# Altium PCB ssmaster.PcbDoc (part 2 of 2) (continued)
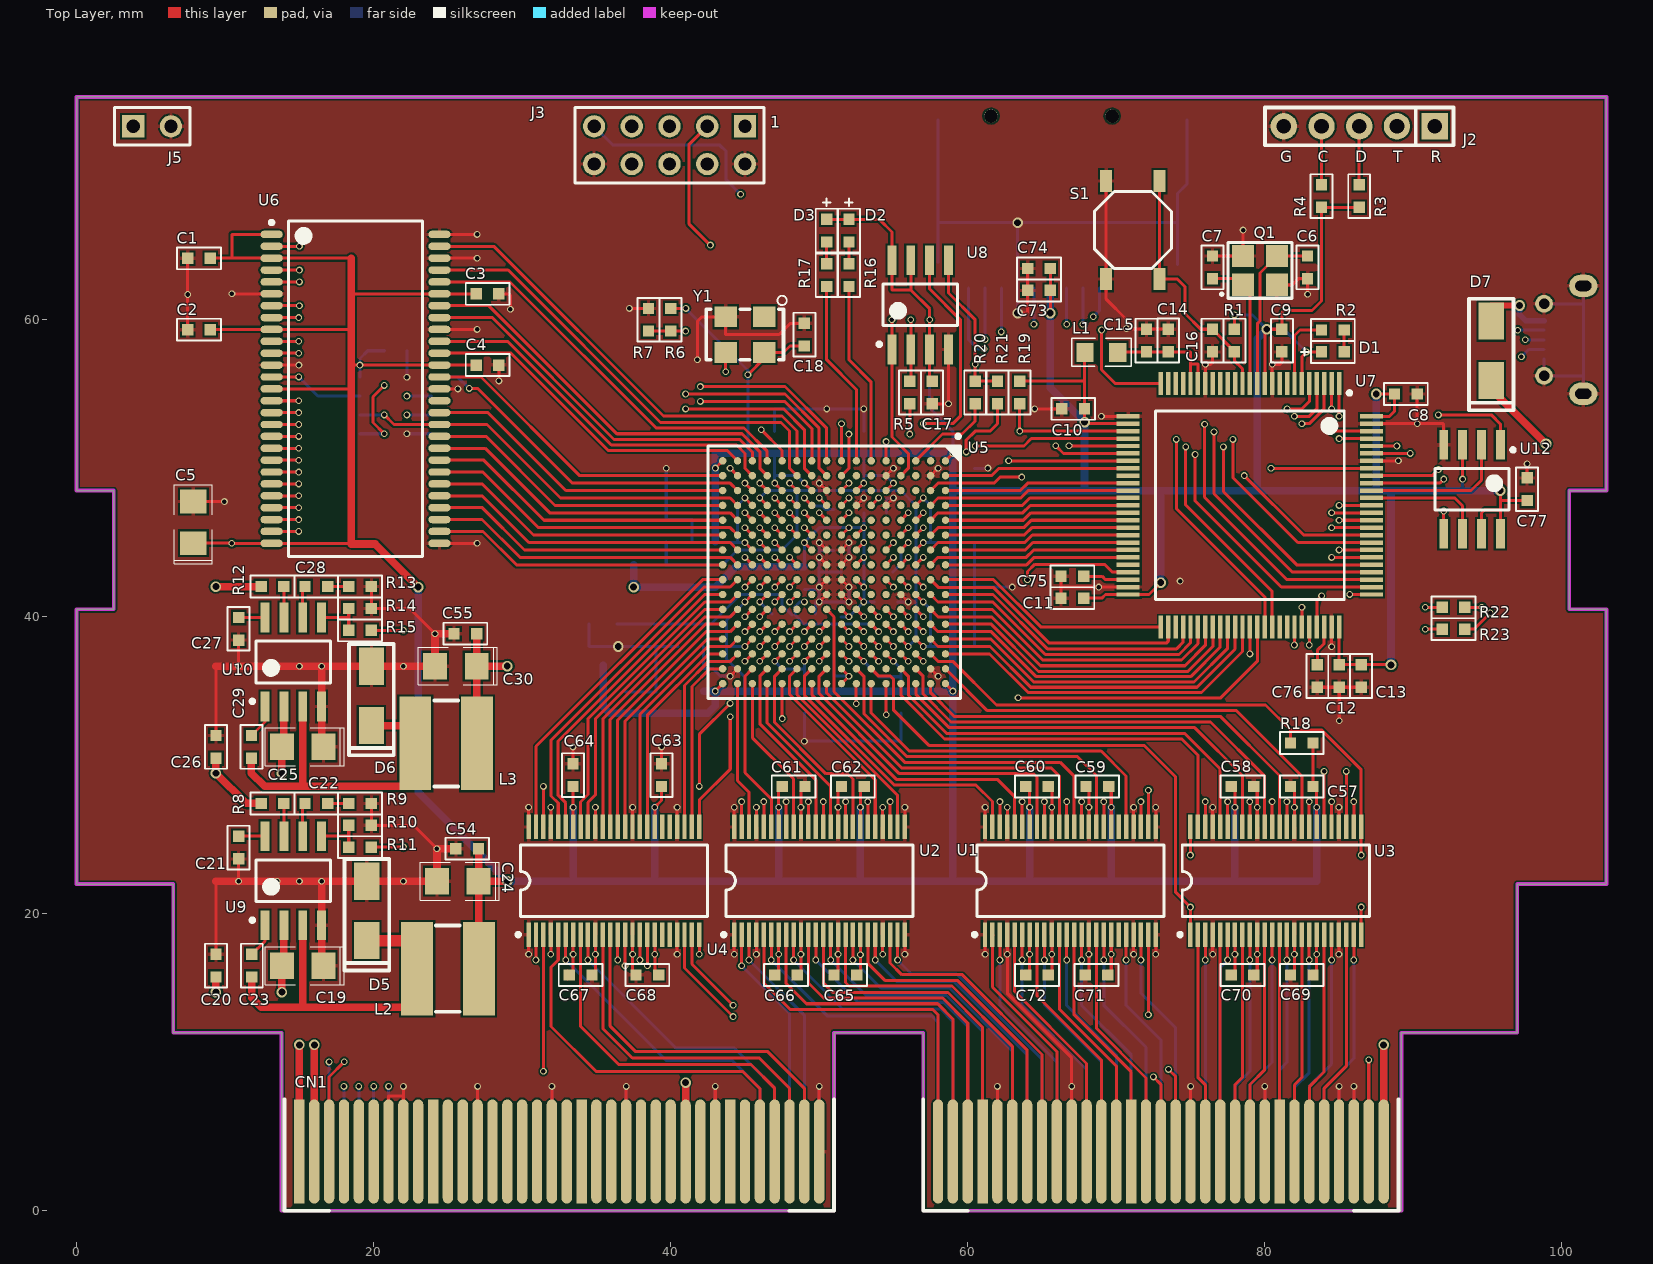
[diagram p0: Top Layer view]
## Nets (pads, with @x,y where several pads share a name; then routed paths per layer and width w, separated by ;. In a path a pad name is that pad's centre, name@x,y a point inside that pad or via, vN(x,y) a via of type N, cw(c..) or ccw(c..) an arc to the next point about the centre after c; other vN are vias at no path point) (continued)
  Mid-Layer 1 w0.203: v1(14.96,48.147) 18.617,44.489 28.956,44.489 28.966,44.5 45.5,44.5 v1(46,44)
MA1: U5.P8 U6.24 | length 34
  Top Layer w0.203: U6.24@13.13,47.347 v1(14.96,47.347) ; v1(45,44) U5.P8@45.5,43.5
  Mid-Layer 1 w0.203: v1(14.96,47.347) 18.307,44 v1(45,44)
MA2: U5.M8 U6.25 | length 36
  Top Layer w0.203: U6.25@13.13,46.547 v1(14.96,46.547) ; v1(47,44) U5.M8@47.5,43.5
  Mid-Layer 1 w0.203: v1(14.96,46.547) 17.964,43.543 46.543,43.543 v1(47,44)
MA3: U5.L8 U6.26 | length 37
  Top Layer w0.203: U6.26@13.13,45.747 v1(14.96,45.747) ; v1(48,44) U5.L8@48.5,43.5
  Mid-Layer 1 w0.203: v1(14.96,45.747) 17.494,43.213 47.213,43.213 v1(48,44)
MA4: U5.T8 U6.29 | length 20
  Top Layer w0.203: U6.29@24.43,45.747 27.364,45.747 29.611,43.5 U5.T8@43.5,43.5
MA5: U5.R8 U6.30 | length 21.3
  Top Layer w0.203: U6.30@24.43,46.547 27.301,46.547 29.847,44 44,44 U5.R8@44.5,43.5
MA6: U5.T7 U6.31 | length 20.2
  Top Layer w0.203: U6.31@24.43,47.347 27.313,47.347 30.16,44.5 U5.T7@43.5,44.5
MA7: U5.R7 U6.32 | length 21.6
  Top Layer w0.203: U6.32@24.43,48.147 27.301,48.147 30.447,45 44,45 U5.R7@44.5,44.5
MA8: U5.T6 U6.33 | length 20.5
  Top Layer w0.203: U6.33@24.43,48.947 27.314,48.947 30.76,45.5 U5.T6@43.5,45.5
MA9: U5.R6 U6.34 | length 21.8
  Top Layer w0.203: U6.34@24.43,49.747 27.352,49.747 31.098,46 44,46 U5.R6@44.5,45.5
MA10: U5.M7 U6.22 | length 36.2
  Top Layer w0.203: U6.22@13.13,48.947 v1(14.96,48.947) ; v1(47,45) U5.M7@47.5,44.5
  Mid-Layer 1 w0.203: v1(14.96,48.947) 18.407,45.5 46.5,45.5 v1(47,45)
MA11: U5.T5 U6.35 | length 20.7
  Top Layer w0.203: U6.35@24.43,50.547 27.415,50.547 31.462,46.5 U5.T5@43.5,46.5
MA12: U5.R5 U6.36 | length 22.1
  Top Layer w0.203: U6.36@24.43,51.347 27.504,51.347 31.851,47 44,47 U5.R5@44.5,46.5
MBA0: U5.N6 U6.20 | length 35.5
  Top Layer w0.203: U6.20@13.13,50.547 v1(14.96,50.547) ; v1(46,46) U5.N6@46.5,45.5
  Mid-Layer 1 w0.203: v1(14.96,50.547) 19.007,46.5 45.5,46.5 v1(46,46)
MBA1: U5.P6 U6.21 | length 34.1
  Top Layer w0.203: U6.21@13.13,49.747 v1(14.96,49.747) ; v1(45,46) U5.P6@45.5,45.5
  Mid-Layer 1 w0.203: v1(14.96,49.747) 18.707,46 v1(45,46)
MCAS: U5.P3 U6.17 | length 34.2
  Top Layer w0.203: U6.17@13.13,52.947 v1(14.96,52.947) ; v1(45,49) U5.P3@45.5,48.5
  Mid-Layer 1 w0.203: v1(14.96,52.947) 18.907,49 v1(45,49)
MCKE: U5.T4 U6.37 | length 21
  Top Layer w0.203: U6.37@24.43,52.147 27.568,52.147 32.215,47.5 U5.T4@43.5,47.5
MCLK: U5.R4 U6.38 U13.6 | length 27.9
  Top Layer w0.203: v1(20.717,53.594) 21.364,52.947 U6.38@24.43,52.947 27.632,52.947 32.578,48 44,48 U5.R4@44.5,47.5
  Bottom Layer w0.203: U13.6@19.079,53.594 v1(20.717,53.594)
MCS: U5.N5 U6.19 | length 35.4
  Top Layer w0.203: U6.19@13.13,51.347 v1(14.96,51.347) ; v1(46,47) U5.N5@46.5,46.5
  Mid-Layer 1 w0.203: v1(14.96,51.347) 18.807,47.5 45.2,47.5 45.7,47 v1(46,47)
MD0: U5.J1 U6.2 | length 44.6
  Top Layer w0.203: U6.2@13.13,64.947 v1(15,64.947) ; v1(42,55.5) 47.7,55.5 50.5,52.7 U5.J1@50.5,50.5
  Mid-Layer 1 w0.203: v1(15,64.947) 23.344,64.947 32.79,55.5 v1(42,55.5)
MD1: U5.J2 U6.4 | length 44.7
  Top Layer w0.203: U6.4@13.13,63.347 v1(15,63.347) ; v1(41,55) 47.692,55 50,52.692 50,50 U5.J2@50.5,49.5
  Mid-Layer 1 w0.203: v1(15,63.347) 23.902,63.347 32.249,55 v1(41,55)
MD2: U5.K1 U6.5 | length 42.6
  Top Layer w0.203: U6.5@13.13,62.547 v1(15,62.547) ; v1(42,54.5) 47.684,54.5 49.5,52.684 U5.K1@49.5,50.5
  Mid-Layer 1 w0.203: v1(15,62.547) 22.61,62.547 30.657,54.5 v1(42,54.5)
MD3: U5.K2 U6.7 | length 42.6
  Top Layer w0.203: U6.7@13.13,60.947 v1(15,60.947) ; v1(41,54) 47.6,54 49,52.6 49,50 U5.K2@49.5,49.5
  Mid-Layer 1 w0.203: v1(15,60.947) 22.508,60.947 29.455,54 v1(41,54)
MD4: U5.K5 U6.8 U13.5 | length 48.7
  Top Layer w0.203: U6.8@13.13,60.147 v1(14.96,60.147) ; v1(20.717,52.324) 19.955,53.086 19.955,54.813 v1(20.717,55.575) ; v1(49,47) U5.K5@49.5,46.5
  Mid-Layer 1 w0.203: v1(14.96,60.147) 19.531,55.575 v1(20.717,55.575) 24.552,55.575 26.661,53.467 44.533,53.467 48.5,49.5 48.5,47.8 49,47.3 v1(49,47)
  Bottom Layer w0.203: U13.5@19.079,52.324 v1(20.717,52.324)
MD5: U5.L3 U6.10 U13.2 | length 41.5
  Top Layer w0.203: U6.10@13.13,58.547 v1(14.96,58.547) ; v1(48,49) U5.L3@48.5,48.5
  Mid-Layer 1 w0.203: v1(14.96,58.547) 18.643,54.864 v1(22.241,54.864) 24.222,52.883 44.617,52.883 48,49.5 v1(48,49)
  Bottom Layer w0.203: v1(22.241,54.864) U13.2@23.879,54.864
MD6: U5.L4 U6.11 U13.3 | length 41.8
  Top Layer w0.203: U6.11@13.13,57.747 v1(14.96,57.747) ; v1(48,48) U5.L4@48.5,47.5
  Mid-Layer 1 w0.203: v1(14.96,57.747) 18.351,54.356 21.479,54.356 v1(22.241,53.594) 23.486,52.349 44.651,52.349 47.5,49.5 47.5,48.8 48,48.3 v1(48,48)
  Bottom Layer w0.203: v1(22.241,53.594) U13.3@23.879,53.594
MD7: U5.K6 U6.13 U13.7 | length 46.5
  Top Layer w0.203: U6.13@13.13,56.147 v1(14.96,56.147) ; v1(49,46) U5.K6@49.5,45.5
  Mid-Layer 1 w0.203: v1(14.96,56.147) 19.607,51.5 44.5,51.5 46.5,49.5 46.5,48.8 46.8,48.5 47.2,48.5 47.5,48.2 47.5,47.8 47.8,47.5 48.2,47.5 48.5,47.2 48.5,46.8 49,46.3 v1(49,46)
  Bottom Layer w0.203: v1(14.96,56.147) 16.243,54.864 U13.7@19.079,54.864
MD8: U5.T2 U6.42 | length 21.8
  Top Layer w0.203: U6.42@24.43,56.147 27.226,56.147 33.872,49.5 U5.T2@43.5,49.5
MD9: U5.R1 U6.44 | length 23.1
  Top Layer w0.203: U6.44@24.43,57.747 29.248,57.747 35.814,51.181 43.819,51.181 U5.R1@44.5,50.5
MD10: U5.P2 U6.45 | length 25.4
  Top Layer w0.203: U6.45@24.43,58.547 29.017,58.547 36.002,51.562 44.438,51.562 45,51 45,50 U5.P2@45.5,49.5
MD11: U5.P1 U6.47 | length 25.4
  Top Layer w0.203: U6.47@24.43,60.147 27.986,60.147 36.189,51.943 44.657,51.943 45.5,51.1 U5.P1@45.5,50.5
MD12: U5.N2 U6.48 | length 27.5
  Top Layer w0.203: U6.48@24.43,60.947 27.75,60.947 36.373,52.324 44.794,52.324 46,51.118 46,50 U5.N2@46.5,49.5
MD13: U5.N1 U6.50 | length 27.4
  Top Layer w0.203: U6.50@24.43,62.547 29.182,62.547 39.024,52.705 44.933,52.705 46.5,51.138 U5.N1@46.5,50.5
MD14: U5.L2 U6.51 | length 31.3
  Top Layer w0.203: U6.51@24.43,63.347 29.059,63.347 39.319,53.086 47.422,53.086 48,52.508 48,50 U5.L2@48.5,49.5
MD15: U5.L1 U6.53 | length 31.2
  Top Layer w0.203: U6.53@24.43,64.947 28.094,64.947 39.522,53.518 47.498,53.518 48.5,52.516 U5.L1@48.5,50.5
MLDQM: U5.N3 U6.15 | length 36.2
  Top Layer w0.203: U6.15@13.13,54.547 v1(14.96,54.547) ; v1(46,49) U5.N3@46.5,48.5
  Mid-Layer 1 w0.203: v1(14.96,54.547) 19.007,50.5 45,50.5 46,49.5 v1(46,49)
MRAS: U5.M6 U6.18 | length 37.8
  Top Layer w0.203: U6.18@13.13,52.147 v1(14.96,52.147) ; v1(47,46) U5.M6@47.5,45.5
  Mid-Layer 1 w0.203: v1(14.96,52.147) 18.607,48.5 45.2,48.5 45.5,48.2 45.5,47.8 45.8,47.5 46.2,47.5 46.5,47.2 46.5,46.5 v1(47,46)
MSEL1: R6.1 R7.2 U5.H12 | length 29.3
  Top Layer w0.203: R7.2@38.5,59.238 R6.1@40,59.238 v1(41,59.238) ; U5.H12@51.5,39.5 v1(52,39)
  Mid-Layer 1 w0.203: v1(41,59.238) 43.262,59.238 47.5,55 47.5,51.5 49.5,49.5 49.5,46.5 51.213,44.787 51.213,39.787 v1(52,39)
MUDQM: U5.T3 U6.39 | length 21.2
  Top Layer w0.203: U6.39@24.43,53.747 27.695,53.747 32.942,48.5 U5.T3@43.5,48.5
MWE: U5.L6 U6.16 | length 39.7
  Top Layer w0.203: U6.16@13.13,53.747 v1(14.96,53.747) ; v1(48,46) U5.L6@48.5,45.5
  Mid-Layer 1 w0.203: v1(14.96,53.747) 19.207,49.5 45.2,49.5 45.5,49.2 45.5,48.8 45.8,48.5 46.3,48.5 46.5,48.3 46.5,47.8 46.8,47.5 47.2,47.5 47.5,47.2 47.5,46.5 v1(48,46)
NetC14_2: C14.2 C15.2 L1.2 U7.20 U7.21 | length 8.8
  Top Layer w0.203: L1.2@70.138,57.838 C14.2@73.5,57.838 75,57.838 U7.21@75,55.7 ; 75.018,57.018 75.5,57.018 U7.20@75.5,55.7
NetC16_1: C16.1 R1.1 S1.2 U7.14 | length 17.1
  Top Layer w0.203: S1.2@72.92,69.34 S1.2@72.92,62.74 74.115,62.74 74.625,62.23 74.625,60.427 75.692,59.36 C16.1@76.479,59.36 77.953,57.887 R1.1@77.953,57.836 77.953,57.247 78.5,56.7 U7.14@78.5,55.7
NetC21_2: C21.2 U9.8 | length 1.8
  Top Layer w0.203: C21.2@10.909,25.225 U9.8@12.684,25.225
NetC22_1: C22.1 R9.1 | length 1.4
  Top Layer w0.203: C22.1@16.9,27.432 R9.1@18.323,27.432
NetC22_2: C22.2 U9.6 | length 2.1
  Top Layer w0.203: U9.6@15.224,25.225 C22.2@15.224,27.28
NetC23_1: C23.1 D5.2 L2.1 U9.3 | length 22.3
  Top Layer w0.508: C23.1@11.795,15.748 11.795,14.351 12.43,13.716 15.224,13.716 ; U9.3@15.224,19.225 15.224,13.716 ; L2.1@22.928,13.716 15.224,13.716
  Top Layer w0.762: D5.2@19.542,18.193 L2.1@23.555,18.193
NetC23_2: C23.2 U9.1 | length 2.3
  Top Layer w0.203: C23.2@11.795,17.272 12.684,18.161 U9.1@12.684,19.225
NetC27_2: C27.2 U10.8 | length 1.8
  Top Layer w0.203: C27.2@10.909,39.957 U10.8@12.684,39.957
NetC28_1: C28.1 R13.1 | length 1.4
  Top Layer w0.203: C28.1@16.9,42.037 R13.1@18.323,42.037
NetC28_2: C28.2 U10.6 | length 1.9
  Top Layer w0.203: U10.6@15.224,39.957 C28.2@15.224,41.885
NetC29_1: C29.1 D6.2 L3.1 U10.3 | length 22.3
  Top Layer w0.508: C29.1@11.77,30.48 11.77,29.464 12.659,28.575 L3.1@23.555,28.575 ; 15.224,28.575 U10.3@15.224,33.957 ; D6.2@19.847,32.671 L3.1@23.555,32.671
NetC29_2: C29.2 U10.1 | length 2.3
  Top Layer w0.203: C29.2@11.77,32.004 12.684,32.918 U10.1@12.684,33.957
NetC49_2: C49.2 C50.2 C51.2 L4.2 U5.D13 U5.N4 | length 36.4
  Top Layer w0.203: v1(46,48) U5.N4@46.5,47.5 ; U5.D13@55.5,38.5 v1(56,38)
  Bottom Layer w0.203: C49.2@39.7,45.038 L4.2@39.7,43.5 43.5,43.5 44.5,44.5 47.5,44.5 48.5,45.5 48.5,48.5 ; v1(46,48) 46.5,48.5 48.5,48.5 ; v1(56,38) 56.5,38.5 56.5,47.5 55.5,48.5 48.5,48.5
NetC75_2: C75.2 U7.48 | length 3.1
  Top Layer w0.203: C75.2@67.809,42.723 69.053,42.723 69.276,42.5 U7.48@70.8,42.5
NetC76_2: C76.2 U7.73 | length 2.7
  Top Layer w0.203: C76.2@83.541,36.779 83.541,37.744 84,38.204 U7.73@84,39.3
NetD1_2: D1.2 R2.1 | length 1.5
  Top Layer w0.203: D1.2@85.344,57.836 R2.1@85.344,59.309
NetD2_2: D2.2 R16.2 | length 1.5
  Top Layer w0.203: R16.2@52,63.762 D2.2@52,65.238
NetD3_2: D3.2 R17.2 | length 1.5
  Top Layer w0.203: R17.2@50.5,63.762 D3.2@50.5,65.238
NetD7_1: D7.1 J1.1 | length 4.3
  Top Layer w0.381: D7.1@95.25,60.96 v2(97.155,60.96)
  Bottom Layer w0.381: v2(97.155,60.96) 97.155,60.35 97.561,59.944 J1.1@98.806,59.944
NetJ1_2: J1.2 R22.1 | length 22.6
  Top Layer w0.203: R22.1@93.472,40.64 v1(94.615,40.64)
  Mid-Layer 1 w0.203: v1(94.615,40.64) 94.615,56.883 v1(97.028,59.296)
  Bottom Layer w0.203: v1(97.028,59.296) J1.2@98.806,59.296
NetJ1_3: J1.3 R23.1 | length 22.8
  Top Layer w0.203: R23.1@93.472,39.167 94.082,39.167 v1(95.174,40.259)
  Mid-Layer 1 w0.203: v1(95.174,40.259) 95.174,56.286 v1(97.536,58.649)
  Bottom Layer w0.203: v1(97.536,58.649) J1.3@98.806,58.649
NetR8_1: R8.1 U9.7 | length 2.2
  Top Layer w0.203: U9.7@13.954,25.225 R8.1@13.954,27.432
NetR10_2: R10.2 R11.2 U9.5 | length 3.3
  Top Layer w0.203: U9.5@16.494,25.225 18.295,25.225 ; R11.2@18.323,24.486 R10.2@18.323,25.959
NetR12_1: R12.1 U10.7 | length 2.1
  Top Layer w0.203: U10.7@13.954,39.957 R12.1@13.954,42.037
NetR14_2: R14.2 R15.2 U10.5 | length 3.3
  Top Layer w0.203: U10.5@16.494,39.957 18.295,39.957 ; R15.2@18.323,39.091 R14.2@18.323,40.564
OSC_IN: C6.1 Q1.3 U7.12 | length 11.2
  Top Layer w0.203: U7.12@79.5,55.7 79.5,59.739 79.68,59.919 79.68,63.147 Q1.3@80.83,64.297 C6.1@82.87,64.297
OSC_OUT: C7.1 Q1.1 U7.13 | length 7.8
  Top Layer w0.203: C7.1@76.479,62.763 Q1.1@78.114,62.763 ; U7.13@79,55.7 Q1.1@79,61.877
SA16: U5.A12 U7.58 | length 21.3
  Top Layer w0.203: U5.A12@58.5,39.5 61.592,39.5 64.77,36.322 74.822,36.322 76.5,38 U7.58@76.5,39.3
SA17: U5.B12 U7.59 | length 23.1
  Top Layer w0.203: U5.B12@57.5,39.5 58,39 61.584,39 64.618,35.966 75.006,35.966 77,37.96 U7.59@77,39.3
SA18: U5.A13 U7.60 | length 22.6
  Top Layer w0.203: U5.A13@58.5,38.5 61.551,38.5 64.44,35.611 75.235,35.611 77.5,37.876 U7.60@77.5,39.3
SA19: U5.E7 U7.2 | length 37.2
  Top Layer w0.203: U5.E7@54.5,44.5 v1(55,45) ; v1(84.5,54) U7.2@84.5,55.7
  Mid-Layer 1 w0.203: v1(55,45) 55.5,45.5 78.7,45.5 83.5,50.3 83.5,53 v1(84.5,54)
SA20: U5.C6 U7.3 | length 34.5
  Top Layer w0.203: U5.C6@56.5,45.5 v1(57,46) ; v1(82.5,53) 83,53 84,54 U7.3@84,55.7
  Mid-Layer 1 w0.203: v1(57,46) 78.6,46 82.5,49.9 v1(82.5,53)
SA21: U5.D6 U7.4 | length 35.3
  Top Layer w0.203: U5.D6@55.5,45.5 v1(56,46) ; v1(82,53.5) 83,53.5 83.5,54 U7.4@83.5,55.7
  Mid-Layer 1 w0.203: v1(56,46) 56.5,46.5 78.5,46.5 82,50 v1(82,53.5)
SA22: U5.D5 U7.5 | length 34.3
  Top Layer w0.203: U5.D5@55.5,46.5 v1(56,47) ; v1(81.5,54) 82.5,54 83,54.5 U7.5@83,55.7
  Mid-Layer 1 w0.203: v1(56,47) 56.5,47.5 78.9,47.5 81.5,50.1 v1(81.5,54)
SA23: U5.D8 U7.1 | length 37.4
  Top Layer w0.203: U5.D8@55.5,43.5 v1(56,44) ; v1(85,53.5) U7.1@85,55.7
  Mid-Layer 1 w0.203: v1(56,44) 56.5,44.5 78.3,44.5 84,50.2 84,52.834 84.666,53.5 v1(85,53.5)
SADV: U5.B3 U7.93 | length 31.1
  Top Layer w0.203: U5.B3@57.5,48.5 58,49 61.763,49 62.166,49.403 v1(63.643,49.403) ; v1(80.42,50) U7.93@87.2,50
  Mid-Layer 1 w0.203: v1(63.643,49.403) 64.532,48.514 78.934,48.514 v1(80.42,50)
SCE1: U5.E9 U7.88 | length 35.5
  Top Layer w0.203: U5.E9@54.5,42.5 v1(55,42) ; v1(85,47.5) U7.88@87.2,47.5
  Mid-Layer 1 w0.203: v1(55,42) 55,42.5 55.5,43 79.3,43 83.8,47.5 v1(85,47.5)
SCLK: U5.E1 U7.84 | length 40.5
  Top Layer w0.203: U5.E1@54.5,50.5 v1(54.5,51.8) ; v1(78.613,49.505) 82.618,45.5 U7.84@87.2,45.5
  Mid-Layer 1 w0.203: v1(54.5,51.8) 56.8,49.5 59.803,49.5 63.262,52.959 64.278,52.959 65.167,52.07 65.167,50.394 66.061,49.5 78.608,49.5 v1(78.613,49.505)
SD0: U5.B13 U7.61 | length 24.4
  Top Layer w0.203: U5.B13@57.5,38.5 58,38 61.492,38 64.237,35.255 75.438,35.255 78,37.817 U7.61@78,39.3
SD1: U5.A14 U7.62 | length 23.9
  Top Layer w0.203: U5.A14@58.5,37.5 61.472,37.5 64.072,34.9 75.743,34.9 78.5,37.657 U7.62@78.5,39.3
SD2: U5.D11 U7.81 | length 34
  Top Layer w0.203: U5.D11@55.5,40.5 v1(56,40) ; v1(84.5,44) U7.81@87.2,44
  Mid-Layer 1 w0.203: v1(56,40) 56.5,39.5 79.302,39.5 83.802,44 v1(84.5,44)
SD3: U5.C11 U7.82 | length 32.8
  Top Layer w0.203: U5.C11@56.5,40.5 v1(57,40) ; v1(85,44.5) U7.82@87.2,44.5
  Mid-Layer 1 w0.203: v1(57,40) 79.1,40 83.6,44.5 v1(85,44.5)
SD4: U5.A4 U7.37 | length 12.5
  Top Layer w0.203: U5.A4@58.5,47.5 63.516,47.499 63.679,47.499 64.18,48 U7.37@70.8,48
SD5: U5.B5 U7.38 | length 13.7
  Top Layer w0.203: U5.B5@57.5,46.5 58,47 63.713,47 64.213,47.5 U7.38@70.8,47.5
SD6: U5.A5 U7.39 | length 12.5
  Top Layer w0.203: U5.A5@58.5,46.5 63.747,46.5 64.247,47 U7.39@70.8,47
SD7: U5.B6 U7.40 | length 13.7
  Top Layer w0.203: U5.B6@57.5,45.5 58,46 63.78,46 64.28,46.5 U7.40@70.8,46.5
SD8: U5.A6 U7.41 | length 12.5
  Top Layer w0.203: U5.A6@58.5,45.5 63.813,45.5 64.313,46 U7.41@70.8,46
SD9: U5.B7 U7.42 | length 13.7
  Top Layer w0.203: U5.B7@57.5,44.5 58,45 63.847,45 64.347,45.5 U7.42@70.8,45.5
SD10: U5.A7 U7.43 | length 12.5
  Top Layer w0.203: U5.A7@58.5,44.5 63.88,44.5 64.38,45 U7.43@70.8,45
SD11: U5.B8 U7.44 | length 13.7
  Top Layer w0.203: U5.B8@57.5,43.5 58,44 63.939,44 64.439,44.5 U7.44@70.8,44.5
SD12: U5.A8 U7.45 | length 12.5
  Top Layer w0.203: U5.A8@58.5,43.5 63.972,43.5 64.472,44 U7.45@70.8,44
SD13: U5.B10 U7.55 | length 20.5
  Top Layer w0.203: U5.B10@57.5,41.5 58,41 61.692,41 65.227,37.465 74.219,37.465 75,38.246 U7.55@75,39.3
SD14: U5.A11 U7.56 | length 20
  Top Layer w0.203: U5.A11@58.5,40.5 61.633,40.5 65.049,37.084 74.397,37.084 75.5,38.187 U7.56@75.5,39.3
SD15: U5.B11 U7.57 | length 21.9
  Top Layer w0.203: U5.B11@57.5,40.5 58,40 61.6,40 64.897,36.703 74.625,36.703 76,38.078 U7.57@76,39.3
SDMC_CD: J4.9 U7.77 | length 39.3
  Top Layer w0.203: v1(75.311,50.927) 75.311,47.803 81.114,42 U7.77@87.2,42
  Mid-Layer 1 w0.203: v1(61.087,58.039) 65.329,58.039 72.441,50.927 v1(75.311,50.927)
  Bottom Layer w0.203: J4.9@60.059,62.128 60.059,58.66 60.681,58.039 v1(61.087,58.039)
SDMC_CLK: J4.5 U7.80 | length 33.6
  Top Layer w0.203: v1(77.216,51.435) 77.216,48.428 82.144,43.5 U7.80@87.2,43.5
  Mid-Layer 1 w0.203: v1(64.459,59.69) 65.253,59.69 72.365,52.578 74.295,52.578 75.438,51.435 v1(77.216,51.435)
  Bottom Layer w0.203: v1(64.459,59.69) J4.5@64.459,62.128
SDMC_CMD: J4.3 U7.83 | length 31.1
  Top Layer w0.203: v1(77.851,51.943) 77.851,49.378 82.229,45 U7.83@87.2,45
  Mid-Layer 1 w0.203: v1(66.659,59.7) 66.659,58.791 72.492,52.959 74.422,52.959 75.438,51.943 v1(77.851,51.943)
  Bottom Layer w0.203: v1(66.659,59.7) J4.3@66.659,62.128
SDMC_D0: J4.7 U7.65 | length 32.8
  Top Layer w0.203: v1(74.041,51.943) 74.041,47.295 80,41.336 U7.65@80,39.3
  Mid-Layer 1 w0.203: v1(62.255,59.182) 65.253,59.182 72.492,51.943 v1(74.041,51.943)
  Bottom Layer w0.203: v1@62.259,59.182 J4.7@62.259,62.128
SDMC_D1: J4.8 U7.66 | length 34.5
  Top Layer w0.203: v1(74.676,51.435) 74.676,47.523 80.5,41.699 U7.66@80.5,39.3
  Mid-Layer 1 w0.203: v1(61.163,58.674) 65.227,58.674 72.466,51.435 v1(74.676,51.435)
  Bottom Layer w0.203: J4.8@61.159,62.128 61.159,58.678 v1(61.163,58.674)
SDMC_D2: J4.1 U7.78 | length 32.3
  Top Layer w0.203: v1(75.946,52.959) 75.946,48.057 81.503,42.5 U7.78@87.2,42.5
  Mid-Layer 1 w0.203: v1(68.453,60.198) 68.453,58.039 72.771,53.721 75.184,53.721 v1(75.946,52.959)
  Bottom Layer w0.203: v1(68.453,60.198) 68.859,60.604 J4.1@68.859,62.128
SDMC_D3: J4.2 U7.79 | length 32.1
  Top Layer w0.203: v1(76.581,52.451) 76.581,48.285 81.866,43 U7.79@87.2,43
  Mid-Layer 1 w0.203: v1(67.759,59.698) 67.759,58.225 72.644,53.34 74.549,53.34 75.438,52.451 v1(76.581,52.451)
  Bottom Layer w0.203: v1(67.759,59.698) J4.2@67.759,62.128
SNBL0: U5.E8 U7.97 | length 37.8
  Top Layer w0.203: U5.E8@54.5,43.5 v1(55,44) ; v1(85,52) U7.97@87.2,52
  Mid-Layer 1 w0.203: v1(55,44) 55.457,43.543 78.543,43.543 85,50 v1(85,52)
SNBL1: U5.C8 U7.98 | length 35.8
  Top Layer w0.203: U5.C8@56.5,43.5 v1(57,44) ; v1(84.5,52.5) U7.98@87.2,52.5
  Mid-Layer 1 w0.203: v1(57,44) 78.4,44 84.5,50.1 v1(84.5,52.5)
SNOE: U5.E11 U7.85 | length 35.4
  Top Layer w0.203: U5.E11@54.5,40.5 v1(55,40) ; v1(84.5,46) U7.85@87.2,46
  Mid-Layer 1 w0.203: v1(55,40) 55.5,40.5 79,40.5 v1(84.5,46)
SNWAIT: U5.C9 U7.87 | length 33.4
  Top Layer w0.203: U5.C9@56.5,42.5 v1(57,42) ; v1(84.5,47) U7.87@87.2,47
  Mid-Layer 1 w0.203: v1(57,42) 58,42 58.5,41.5 78.6,41.5 84.1,47 v1(84.5,47)
SNWE: U5.D9 U7.86 | length 34.6
  Top Layer w0.203: U5.D9@55.5,42.5 v1(56,42) ; v1(85,46.5) U7.86@87.2,46.5
  Mid-Layer 1 w0.203: v1(56,42) 56.5,41.5 57.5,41.5 58,41 78.8,41 84.3,46.5 v1(85,46.5)
SPCLK: CN1.A7 U4.3 | length 24.4
  Top Layer w0.203: v1(31.429,9.398) U4.3@31.429,18.6
  Mid-Layer 1 w0.203: v1(21,8.382) 22.016,9.398 v1(31.429,9.398)
  Bottom Layer w0.203: CN1.A7@21,4 v1(21,8.382)
SPI2_MOSI: U5.A10 U7.54 | length 18.7
  Top Layer w0.203: U5.A10@58.5,41.5 61.7,41.5 65.354,37.846 74.066,37.846 74.5,38.28 U7.54@74.5,39.3
SPI2_NSS: U5.A9 U7.51 | length 15.8
  Top Layer w0.203: U5.A9@58.5,42.5 61.742,42.5 64.942,39.3 U7.51@73,39.3
SPI2_SCK: U5.B9 U7.52 | length 18.8
  Top Layer w0.203: U5.B9@57.5,42.5 58.014,41.986 61.722,41.986 65.481,38.227 73.371,38.227 73.5,38.356 U7.52@73.5,39.3
SR_CS: U5.R3 U13.1 | length 23.8
  Top Layer w0.203: v1(26.432,55.372) 27.01,55.372 33.382,49 44,49 U5.R3@44.5,48.5
  Bottom Layer w0.203: U13.1@23.879,56.134 25.67,56.134 v1(26.432,55.372)
SSEL: CN1.B3 U4.13 | length 29.4
  Top Layer w0.203: CN1.B3@17,4 17,9.015 v1(18.018,10.033) ; v1(36.429,16.891) U4.13@36.429,18.6
  Mid-Layer 1 w0.203: v1(18.018,10.033) 20.736,12.751 32.289,12.751 v1(36.429,16.891)
SWCK: J2.4 R4.1 U7.76 | length 37.7
  Top Layer w0.203: R4.1@83.82,69.088 J2.4@83.82,73.025 ; v1@85.725,41.5 U7.76@87.2,41.5
  Mid-Layer 1 w0.203: J2.4@83.82,73.025 83.82,56.82 85.725,54.915 v1(85.725,41.504)
SWIO: J2.3 R3.1 U7.72 | length 40.7
  Top Layer w0.203: U7.72@83.5,39.3 83.5,41.082 v1(83.82,41.402) ; R3.1@86.36,69.088 J2.3@86.36,73.025
  Mid-Layer 1 w0.203: v1(83.82,41.402) 84.328,40.894 85.827,40.894 86.36,41.427 J2.3@86.36,73.025
SYSRES: CN1.A3 U4.2 | length 24.5
  Top Layer w0.203: v1(30.929,16.891) U4.2@30.929,18.6
  Mid-Layer 1 w0.203: v1(17,10.031) 20.406,13.437 27.475,13.437 v1(30.929,16.891)
  Bottom Layer w0.203: CN1.A3@17,4 v1(17,10.031)
TCK: J3.1 U5.H3 | length 27.6
  Top Layer w0.203: U5.H3@51.5,48.5 v1(52,49)
  Mid-Layer 1 w0.203: J3.1@45,73.025 49.6,68.425 49.6,53.2 52,50.8 v1(52,49)
TDI: J3.9 U5.H4 | length 37.1
  Top Layer w0.203: U5.H4@51.5,47.5 v1(52,48)
  Mid-Layer 1 w0.203: v1(44.704,68.453) 49,64.157 49,52.9 51.4,50.5 51.4,48.6 v1(52,48)
  Bottom Layer w0.203: J3.9@34.84,73.025 36.11,71.755 43.307,71.755 43.739,71.323 43.739,69.418 v1(44.704,68.453)
TDO: J3.3 U5.J4 | length 30.3
  Top Layer w0.203: J3.3@42.46,73.025 41.224,71.789 41.224,66.472 v1(42.672,65.024) ; v1(50,48) U5.J4@50.5,47.5
  Mid-Layer 1 w0.203: v1(42.672,65.024) 48,59.696 48,52.1 50.457,49.643 50.457,48.457 v1(50,48)
TMS: J3.5 U5.J5 | length 32.9
  Top Layer w0.203: v1(50,47) U5.J5@50.5,46.5
  Mid-Layer 1 w0.203: J3.5@39.92,73.025 41.224,71.721 43.341,71.721 43.739,71.323 43.739,66.751 48.5,61.99 48.5,52.5 50.887,50.113 50.887,47.887 v1(50,47)
USB_DM: R22.2 U7.70 | length 11.1
  Top Layer w0.203: U7.70@82.5,39.3 v1@82.5,40.639 ; v1(90.805,40.64) R22.2@91.948,40.64
  Mid-Layer 1 w0.203: v1(82.499,40.64) 82.931,40.208 90.373,40.208 v1(90.805,40.64)
USB_DP: R23.2 U7.71 | length 10.9
  Top Layer w0.203: v1(83,38.1) U7.71@83,39.3 ; v1(90.805,39.167) R23.2@91.948,39.167
  Mid-Layer 1 w0.203: v1(83,38.1) 84.448,39.548 90.424,39.548 v1(90.805,39.167)
USB_ID: J1.4 U7.69 | length 36.3
  Top Layer w0.203: v1(82,38.1) U7.69@82,39.3
  Mid-Layer 1 w0.203: v1(82,38.1) 82.66,37.44 93.396,37.44 96.596,40.64 96.596,56.82 v1(97.282,57.506)
  Bottom Layer w0.203: v1(97.282,57.506) 97.777,58.001 J1.4@98.806,58.001
pads on no net: CN1.A9 CN1.A10 CN1.A11 CN1.A12 CN1.A14 CN1.A15 CN1.A16 CN1.A17 CN1.A19 CN1.A20 CN1.A21 CN1.A22 CN1.A24 CN1.A25 CN1.A26 CN1.A28 CN1.A30 CN1.A31 CN1.A66 CN1.B4 CN1.B5 CN1.B6 CN1.B9 CN1.B10 CN1.B11 CN1.B12 CN1.B14 CN1.B15 CN1.B16 CN1.B17 CN1.B19 CN1.B20 CN1.B21 CN1.B22 CN1.B24 CN1.B25 CN1.B26 CN1.B28 CN1.B30 CN1.B31 J3.6 J3.7 J3.8 J4.MH1 J4.MH2 U1.19 U1.30 U4.19 U4.20 U4.29 U4.30 U5.B1 U5.C2 U5.C3 U5.D1 U5.D3 U5.D4 U5.E5 U5.E6 U5.E10 U5.E15 U5.F2 U5.F3 U5.F5 U5.F6 U5.F7 U5.F8 U5.F9 U5.F10 U5.G2 U5.G5 U5.J6 U5.K8 U5.K9 U5.K10 U5.K11 U5.L7 U5.L11 U5.M2 U5.M11 U6.40 U7.8 U7.9 U7.15 U7.16 U7.17 U7.18 U7.22 U7.23 U7.24 U7.34 U7.46 U7.53 U7.67 U7.68 Y1.1

## Polygon pours and split planes (outlines as drawn)
GND on Top Layer "Top-GND" (solid, remove dead copper): 0,0 103,0 103,75 0,75 0,0
GND on Mid-Layer 1 "Mid-GND" (solid, remove dead copper): 0,0 103,0 103,75 0,75
GND on Bottom Layer "Bot-GND" (solid, remove dead copper): 0,0 103,0 103,75 0,75
GND on Ground Plane 1 (split plane): 102.49,49.01 100.5,49.01 100.4,49.001 100.305,48.972 100.216,48.924 100.139,48.861 100.076,48.784 100.028,48.695 99.999,48.6 99.99,48.5 99.99,40.5 99.999,40.4 100.028,40.305 100.076,40.216 100.139,40.139 100.216,40.076 100.305,40.028 100.4,39.999 100.5,39.99 102.49,39.99 102.49,22.51 97,22.51 96.9,22.501 96.805,22.472 96.716,22.424 96.639,22.361 96.576,22.284 96.528,22.195 96.499,22.1 96.49,22 96.49,12.51 89.2,12.51 89.1,12.501 89.005,12.472 88.916,12.424 88.839,12.361 88.776,12.284 88.728,12.195 88.699,12.1 88.69,12 88.69,0.51 57.51,0.51 57.51,12 57.501,12.1 57.472,12.195 57.424,12.284 57.361,12.361 57.284,12.424 57.195,12.472 57.1,12.501 57,12.51 51,12.51 50.9,12.501 50.805,12.472 50.716,12.424 50.639,12.361 50.576,12.284 50.528,12.195 50.499,12.1 50.49,12 50.49,0.51 14.31,0.51 14.31,12 14.301,12.1 14.272,12.195 14.224,12.284 14.161,12.361 14.084,12.424 13.995,12.472 13.9,12.501 13.8,12.51 7.01,12.51 7.01,22 7.001,22.1 6.972,22.195 6.924,22.284 6.861,22.361 6.784,22.424 6.695,22.472 6.6,22.501 6.5,22.51 0.51,22.51 0.51,39.99 2.5,39.99 2.6,39.999 2.695,40.028 2.784,40.076 2.861,40.139 2.924,40.216 2.972,40.305 3.001,40.4 3.01,40.5 3.01,48.5 3.001,48.6 2.972,48.695 2.924,48.784 2.861,48.861 2.784,48.924 2.695,48.972 2.6,49.001 2.5,49.01 0.51,49.01 0.51,74.49 102.49,74.49

## Keep-outs
Keep-Out Layer:
  the board outline again, w0.254

## Silkscreen, mask and mechanical layers (free items; w line width, h text height)
Top Overlay:
  text "G" at 81.026,70.612 h0.76
  text "C" at 83.566,70.612 h0.76
  text "D" at 86.106,70.612 h0.76
  text "T" at 88.646,70.612 h0.76
  text "R" at 91.186,70.612 h0.76
Bottom Overlay:
  text "SAROOO V1.2" at 66.802,55.88 h3.05

## Text inside footprints (layer, text, board x,y; h text height)
J3: Top Overlay "1" at 46.7,72.925 h0.76